# KiCad board keyboard.kicad_pcb (continued)
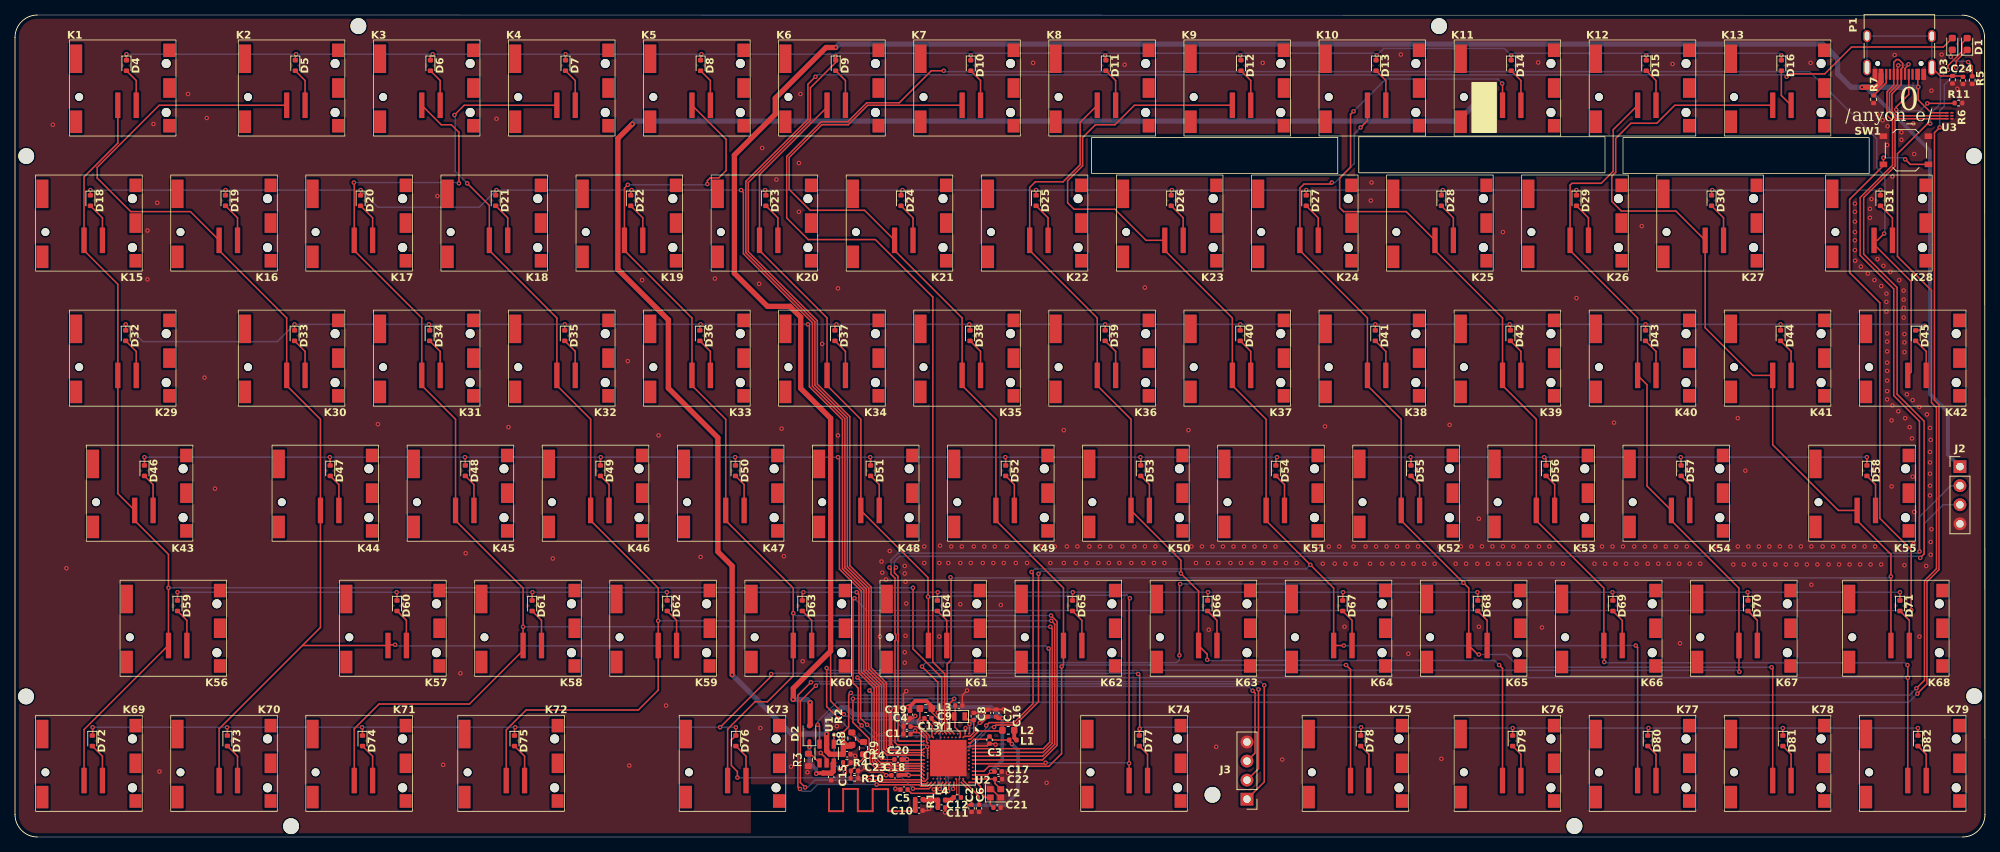
[diagram p0: board, top side]
## Routing (per net, layer and track width the routed paths; a pad name or vN(x,y) marks a point on that pad's centre or on a via; arc(x,y) is an arc through that point) (continued)
Net-(D1-K): length 240.2
  Top w0.2: U1.3 107.2,14.72 v1(106.95,14.97) ; v1(258.65,102.52) 258.65,103.43 D1.1 ; v1(253.47,19.1) 254.75,20.38 254.75,34.02 256.35,35.62 256.35,57.62 255.75,58.22 255.75,93.87 v1(256.45,94.57)
  Bottom w0.2: v1(256.45,94.57) 256.45,96.78 257.07,97.41 257.07,100.24 258.65,101.82 v1(258.65,102.52) ; v1(106.95,14.97) 106.95,15.39 109.51,17.94 252.31,17.94 v1(253.47,19.1)
Net-(D2-K): length 8.2
  Top w0.5: v1(105.85,12.02) D2.1 ; v1(106.75,8.43) 106.83,8.51 107.65,8.51
  Top w0.7: 107.65,8.51 107.66,8.52 108.73,8.52 C15.1 109.02,8.77 109.02,9.78 U1.6
  Bottom w0.5: v1(106.75,8.43) 106.75,9.03 105.85,9.93 v1(105.85,12.02)
Net-(D3-K): length 5.8
  Top w0.2: R5.2 260.78,102.74 v1(260.24,103.28) ; D3.1 257.92,104.69 v1(257.92,103.96)
  Bottom w0.2: v1(257.92,103.96) 258.51,103.37 260.15,103.37 v1(260.24,103.28)
Net-(D4-A): length 5.1
  Top w0.2: K1.2 16.15,100.82 D4.2
Net-(D5-A): length 5.1
  Top w0.2: D5.2 38.65,100.82 K2.2
Net-(D6-A): length 5.1
  Top w0.2: K3.2 56.65,100.82 D6.2
Net-(D7-A): length 5.1
  Top w0.2: D7.2 74.65,100.82 K4.2
Net-(D8-A): length 5.1
  Top w0.2: D8.2 92.65,100.82 K5.2
Net-(D9-A): length 5.1
  Top w0.2: D9.2 110.65,100.82 K6.2
Net-(D10-A): length 5.1
  Top w0.2: D10.2 128.65,100.82 K7.2
Net-(D11-A): length 5.1
  Top w0.2: K8.2 146.65,100.82 D11.2
Net-(D12-A): length 5.1
  Top w0.2: D12.2 164.65,100.82 K9.2
Net-(D13-A): length 5.1
  Top w0.2: D13.2 182.65,100.82 K10.2
Net-(D14-A): length 5.1
  Top w0.2: D14.2 200.65,100.82 K11.2
Net-(D15-A): length 5.1
  Top w0.2: D15.2 218.65,100.82 K12.2
Net-(D16-A): length 5.1
  Top w0.2: K13.2 235.35,98.82 D16.2
Net-(D18-A): length 5.3
  Top w0.2: K15.2 11.65,82.52 D18.2
Net-(D19-A): length 5.3
  Top w0.2: K16.2 29.65,82.52 D19.2
Net-(D20-A): length 5.3
  Top w0.2: K17.2 47.65,82.52 D20.2
Net-(D21-A): length 5.3
  Top w0.2: K18.2 65.65,82.52 D21.2
Net-(D22-A): length 5.3
  Top w0.2: D22.2 83.65,82.52 K19.2
Net-(D23-A): length 5.3
  Top w0.2: K20.2 101.65,82.52 D23.2
Net-(D24-A): length 5.3
  Top w0.2: D24.2 119.65,82.52 K21.2
Net-(D25-A): length 5.3
  Top w0.2: K22.2 137.65,82.52 D25.2
Net-(D26-A): length 5.3
  Top w0.2: D26.2 155.65,82.52 K23.2
Net-(D27-A): length 5.3
  Top w0.2: K24.2 173.65,82.52 D27.2
Net-(D28-A): length 5.3
  Top w0.2: K25.2 191.65,82.52 D28.2
Net-(D29-A): length 5.3
  Top w0.2: K26.2 209.65,82.52 D29.2
Net-(D30-A): length 5.3
  Top w0.2: K27.2 227.65,82.52 D30.2
Net-(D31-A): length 5.3
  Top w0.2: K28.2 250.15,82.52 D31.2
Net-(D32-A): length 5.2
  Top w0.2: D32.2 16.15,64.72 K29.2
Net-(D33-A): length 5.2
  Top w0.2: K30.2 38.65,64.72 D33.2
Net-(D34-A): length 5.2
  Top w0.2: K31.2 56.65,64.72 D34.2
Net-(D35-A): length 5.2
  Top w0.2: D35.2 74.65,64.72 K32.2
Net-(D36-A): length 5.2
  Top w0.2: K33.2 92.65,64.72 D36.2
Net-(D37-A): length 5.2
  Top w0.2: K34.2 110.65,64.72 D37.2
Net-(D38-A): length 5.2
  Top w0.2: D38.2 128.65,64.72 K35.2
Net-(D39-A): length 5.2
  Top w0.2: D39.2 146.65,64.72 K36.2
Net-(D40-A): length 5.2
  Top w0.2: D40.2 164.65,64.72 K37.2
Net-(D41-A): length 5.2
  Top w0.2: D41.2 182.65,64.72 K38.2
Net-(D42-A): length 5.2
  Top w0.2: K39.2 200.65,64.72 D42.2
Net-(D43-A): length 5.2
  Top w0.2: D43.2 218.65,64.72 K40.2
Net-(D44-A): length 5.2
  Top w0.2: D44.2 236.65,64.72 K41.2
Net-(D45-A): length 5.2
  Top w0.2: D45.2 254.65,64.72 K42.2
Net-(D46-A): length 5.1
  Top w0.2: D46.2 18.4,46.97 K43.2
Net-(D47-A): length 5.1
  Top w0.2: D47.2 43.15,46.97 K44.2
Net-(D48-A): length 5.1
  Top w0.2: D48.2 61.15,46.97 K45.2
Net-(D49-A): length 5.1
  Top w0.2: D49.2 79.15,46.97 K46.2
Net-(D50-A): length 5.1
  Top w0.2: K47.2 97.15,46.97 D50.2
Net-(D51-A): length 5.1
  Top w0.2: D51.2 115.15,46.97 K48.2
Net-(D52-A): length 5.1
  Top w0.2: K49.2 133.15,46.97 D52.2
Net-(D53-A): length 5.1
  Top w0.2: K50.2 151.15,46.97 D53.2
Net-(D54-A): length 5.1
  Top w0.2: D54.2 169.15,46.97 K51.2
Net-(D55-A): length 5.1
  Top w0.2: K52.2 187.15,46.97 D55.2
Net-(D56-A): length 5.1
  Top w0.2: K53.2 205.15,46.97 D56.2
Net-(D57-A): length 5.1
  Top w0.2: D57.2 223.15,46.97 K54.2
Net-(D58-A): length 5.1
  Top w0.2: D58.2 247.9,46.97 K55.2
Net-(D59-A): length 5.1
  Top w0.2: D59.2 22.9,28.87 K56.2
Net-(D60-A): length 5.1
  Top w0.2: K57.2 52.15,28.87 D60.2
Net-(D61-A): length 5.1
  Top w0.2: K58.2 70.15,28.87 D61.2
Net-(D62-A): length 5.1
  Top w0.2: K59.2 88.15,28.87 D62.2
Net-(D63-A): length 5.1
  Top w0.2: D63.2 106.15,28.87 K60.2
Net-(D64-A): length 5.1
  Top w0.2: D64.2 124.15,28.87 K61.2
Net-(D65-A): length 5.1
  Top w0.2: K62.2 142.15,28.87 D65.2
Net-(D66-A): length 5.1
  Top w0.2: K63.2 160.15,28.87 D66.2
Net-(D67-A): length 5.1
  Top w0.2: D67.2 178.15,28.87 K64.2
Net-(D68-A): length 5.1
  Top w0.2: D68.2 196.15,28.87 K65.2
Net-(D69-A): length 5.1
  Top w0.2: D69.2 214.15,28.87 K66.2
Net-(D70-A): length 5.1
  Top w0.2: D70.2 232.15,28.87 K67.2
Net-(D71-A): length 5.1
  Top w0.2: D71.2 252.4,28.87 K68.2
Net-(D72-A): length 5.2
  Top w0.2: D72.2 11.65,10.77 K69.2
Net-(D73-A): length 5.2
  Top w0.2: D73.2 29.65,10.77 K70.2
Net-(D74-A): length 5.2
  Top w0.2: D74.2 47.65,10.77 K71.2
Net-(D75-A): length 5.2
  Top w0.2: K72.2 67.9,10.77 D75.2
Net-(D76-A): length 5.2
  Top w0.2: K73.2 97.4,10.77 D76.2
Net-(D77-A): length 5.1
  Top w0.2: D77.2 150.9,11.02 K74.2
Net-(D78-A): length 5.1
  Top w0.2: K75.2 180.4,11.02 D78.2
Net-(D79-A): length 5.1
  Top w0.2: D79.2 200.65,11.02 K76.2
Net-(D80-A): length 5.1
  Top w0.2: D80.2 218.65,11.02 K77.2
Net-(D81-A): length 5.1
  Top w0.2: K78.2 236.65,11.02 D81.2
Net-(D82-A): length 5.1
  Top w0.2: D82.2 254.65,11.02 K79.2
Net-(L1-Pad2): length 1.4
  Top w0.5: 133.43,12.92 133.14,13.22 L2.1
Net-(P1-SHIELD): length 21.7
  Top w0.2: C24.1 259.43,101.42 258.16,101.42 R11.2 256.53,101.43 P1.S1
  Bottom w0.2: P1.S1 P1.S1 P1.S1 P1.S1
Net-(R8-Pad2): length 1.7
  Top w0.2: 112.55,12.63 111.5,13.68 R8.2
Net-(U1-ISET): length 2
  Top w0.2: R3.2 105.97,11.09 U1.4
Net-(U1-TS): length 7.3
  Top w0.2: v1(109.89,9.02) 110.33,9.46 R4.2 ; v1(109.15,13.62) 109.1,13.57 U1.1
  Bottom w0.2: v1(109.15,13.62) 109.15,9.76 v1(109.89,9.02)
Net-(U2-ANT): length 4
  Top w0.127: C12.2 125.47,5.68 125.47,7.65 U2.H23
  Top w0.62: C12.2 124.72,4.92 123.93,4.92
Net-(U2-DCC): length 5
  Top w0.2: L2.2 131.46,14.12 128.41,14.12 127.31,13.02 U2.B3
Net-(U2-DCCH): length 4.6
  Top w0.2: U2.AB2 121.85,13.48 120.25,15.08 120.25,15.57 120.56,15.88 L3.2
Net-(U2-DEC1): length 4.4
  Top w0.2: v1(126.65,14.52) 126.6,14.47 U2.C1 ; C7.1 128.83,15.22 v1(128.55,15.22)
  Bottom w0.2: v1(128.55,15.22) 127.85,14.52 v1(126.65,14.52)
Net-(U2-DEC3): length 4.3
  Top w0.2: U2.D23 126.35,7.52 128.45,5.42 C6.1
Net-(U2-DEC4): length 25.2
  Top w0.2: v1(132.82,12.4) 132.46,12.77 L1.1 130.33,12.92 C3.2 129.47,13.02 127.77,13.02 127.27,12.52 U2.B5 ; U2.E24 127.45,5.92 C2.2 126.83,4.3
  Bottom w0.5: v1(126.75,4.22) 131.95,4.22 133.65,5.92 133.65,11.58 v1(132.82,12.4)
Net-(U2-DEC5): length 6.4
  Top w0.2: U2.N24 123.8,6.97 123.8,6.17 123.45,5.82 119.43,5.82 C5.1
Net-(U2-DECUSB): length 3.6
  Top w0.2: U2.AC5 121.45,12.67 121.45,13.42 120.15,14.72 C4.1
Net-(U2-XC1): length 5.7
  Top w0.2: U2.B24 128.1,7.27 128.65,6.72 128.65,5.92 129.3,5.27 Y2.1 129.95,4.34 C21.1
Net-(U2-XC2): length 4.7
  Top w0.2: Y2.3 130.57,7.15 C22.1 127.65,7.72 U2.A23
Net-(U2-XL1/P0.00): length 4.7
  Top w0.2: Y1.1 127.03,15.59 C8.2 127.75,13.92 127.24,13.42 126.5,13.42 U2.D2
Net-(U2-XL2/P0.01): length 4.7
  Top w0.2: U2.F2 125.95,13.37 125.95,13.92 125.25,14.62 125.25,15.97 Y1.2 125.27,16.19 C9.2

## Copper pours and planes (outline as drawn; the poured copper is in the pictures)
GND on Top, Bottom: -7.05,114.42 -8.55,-0.37 266.45,-0.37 269.02,115.42

## Text on the board
B.Silkscreen: /GND | /VBAT | :commit hash | firmware | attempt the impossible | keyboard v1 | anyon_e | PHILLIPS EXETER ACADEMY | ZMK | 0A4013269B36FA58D2493F0216ECBA86059A3424 | byran / huang | /open source forever///// | ///////// | powered by | 0
F.Silkscreen: /anyon_e/ | 0
